# Altium PCB radxa_nx4_io_board_v1.11.PcbDoc (part 5 of 13) (continued)
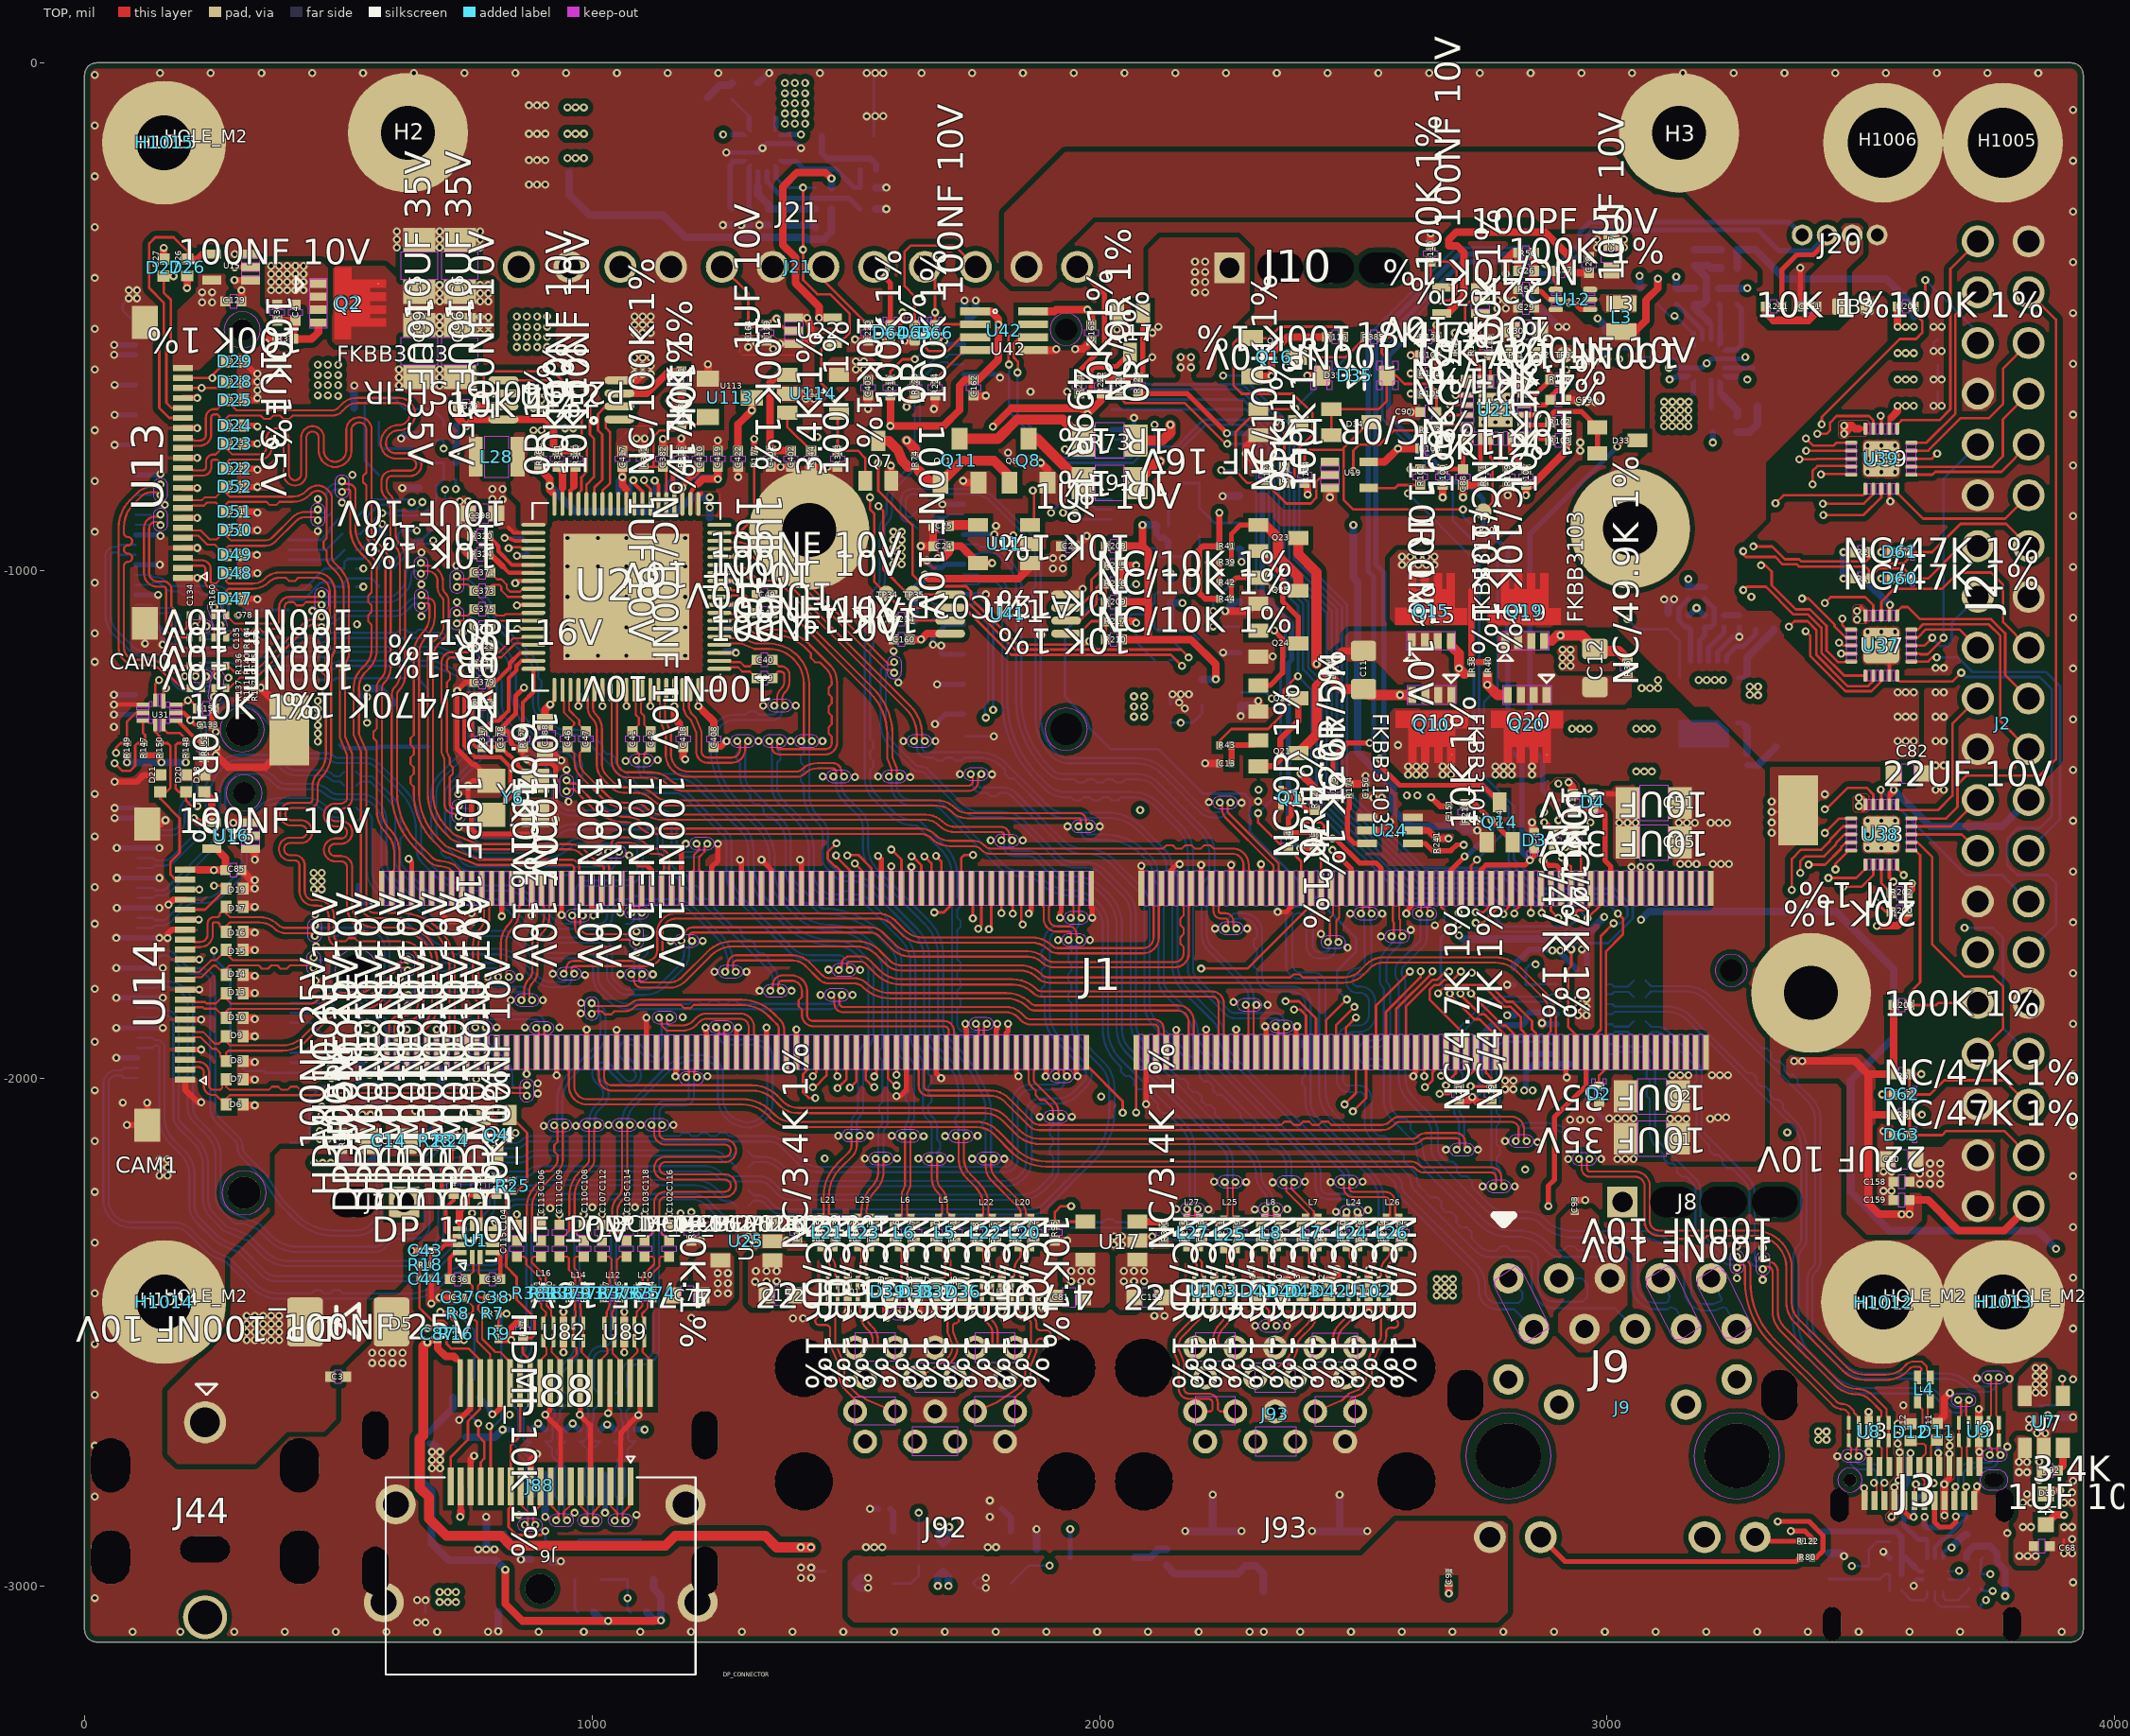
[diagram p0: TOP view]
## Nets (pads, with @x,y where several pads share a name; then routed paths per layer and width w, separated by ;. In a path a pad name is that pad's centre, name@x,y a point inside that pad or via, vN(x,y) a via of type N, cw(c..) or ccw(c..) an arc to the next point about the centre after c; other vN are vias at no path point) (continued)
  BOTTOM w11: Q9.2@777.59,-2628.63 797.59,-2648.63 797.59,-2653.59 804,-2660 v1(804,-2662)
  BOTTOM w12: R77.2@680,-2719.81 689,-2719.81 701,-2731.81 v1(701,-2736) ; v1(1026,-2856) U99.3@1026,-2811.26 U99.8@1026,-2780.74 ; C94.1@1324,-40.19 1327.8,-40.19 1347.76,-20.23 v1(1349.16,-20.23) ; v1(1548,-2848) R135.1@1564.19,-2848 ; v1(2803,-1816) R139.2@2816.19,-1816 ; v1(2871.53,-1891.53) 2873.68,-1893.68 U10.4@2900.94,-1893.68 ; v1(2950.19,-1746.3) 2959.99,-1756.1 U10.10@2959.99,-1795.26 ; R22.2@3160,-1088.19 3161.81,-1088.19 v1(3176,-1074) 3190.19,-1088.19 R20.2@3192,-1088.19 ; v1(3208,-748) C15.1@3208,-727.81 ; v1(3543.92,-2932.59) C92.2@3556.19,-2944.86 ; v1(3625,-2864) 3625,-2882.05 C67.2@3628,-2885.05 C71.2@3660,-2885.05
  BOTTOM w15: C73.2@531.75,-680 v1(531.75,-636) ; C126.2@551.56,-2048 595.23,-2048 Y1.2@616.69,-2069.46 ; v1(557.26,-1232) 581.85,-1232 Y2.2@610.54,-1260.69 ; v1(624,-740) 630.41,-733.59 Q27.2@659.37,-733.59 ; v1(626.43,-837.59) Q3.2@659.37,-837.59 ; v1(776,-2928) v1(792,-2928) ; v1(792,-2864) U109.2@792,-2892.82 v1(792,-2928) ; v1(808,-2928) v1(792,-2928) ; v1(815.56,-3089.56) C121.2@815.56,-3052 ; v1(860.19,-2947.81) R132.1@880,-2947.81 ; v1(908,-2864) U88.8@908,-2811.26 U88.3@908,-2780.74 ; R72.2@920,-2951.75 v1(939,-2951.75) ; v1(1258,-319.75) C132.2@1276,-319.75 ; v1(1294.25,-319.75) R143.1@1312,-319.75 ; v1(1330.25,-319.75) R153.2@1348,-319.75 ; R142.1@1559.75,-288 v1(1580,-288) ; R130.1@1559.75,-246 v1(1580,-246) ; v1(1681.44,-3000.32) 1681.44,-2982.12 C169.2@1692,-2971.56 1702.44,-2982 v1(1702.44,-3000.31) ; v1(1734.11,-468.11) 1734.11,-490.36 J15.76@1746.11,-502.36 ; J15.76@1736.93,-511.54 J15.76@1746.11,-502.36 ; v1(1756.11,-468.11) 1756.11,-492.36 J15.76@1746.11,-502.36 ; R133.2@1876,-2928.25 v1(1876,-2888) ; v1(2168.66,-2892.25) J4.3@2223,-2892.25 ; v1(2223,-2820.19) J4.3@2223,-2892.25 ; v1(2242.65,-853.59) Q29.2@2275.37,-853.59 ; v1(2247.62,-1080.22) 2266.25,-1061.59 Q12.2@2275.37,-1061.59 ; Q28.2@2275.37,-957.59 2280,-962.22 v1(2280,-983) ; v1(2278.19,-1287.06) U5.3@2278.19,-1265.59 2304.04,-1265.59 v1(2312.63,-1257) ; v1(2279.75,-2892.25) J4.3@2223,-2892.25 ; v1(2418.66,-2892.25) J4.4@2473,-2892.25 ; v1(2473,-2820.19) J4.4@2473,-2892.25 ; v1(2527.34,-2892.25) J4.4@2473,-2892.25 ; v1(2803,-1876) C84.2@2816.19,-1876 ; R50.1@3064,-444.25 v1(3064,-420) ; v1(3136,-421.41) R51.1@3136,-444.25 R53.2@3172,-444.25 ; R52.1@3220,-444.25 C22.2@3256,-444.25 v1(3276,-444.25) ; Q26.2@3436.63,-2935.27 3460.5,-2935.27 v1(3466.5,-2941.27) ; R89.2@3896,-2667.75 v1(3917.74,-2667.75)
  other v1: 95.32,-3090.46 189.51,-3090.46 295.32,-3090.46 395.32,-3090.46 495.32,-3090.46 595.32,-3090.46 695.32,-3090.46 795.32,-3090.46 895.32,-3090.46 984,-3090.46 1095.32,-3090.46 1195.32,-3090.46 1295.32,-3090.46 1395.32,-3090.46 1495.32,-3090.46 1595.32,-3090.46 1695.32,-3090.46 1795.32,-3090.46 1895.32,-3090.46 1995.32,-3090.46 2095.32,-3090.46 2195.32,-3090.46 2295.32,-3090.46 2323.39,-3090.46 2395.32,-3090.46 2495.32,-3090.46 2595.32,-3090.46 2695.32,-3090.46 2795.32,-3090.46 2895.32,-3090.46 2995.32,-3090.46 3095.32,-3090.46 3195.32,-3090.46 3295.32,-3090.46 3395.32,-3090.46 3495.32,-3090.46 3595.32,-3090.46 3695.32,-3090.46 3795.32,-3090.46 3895.32,-3090.46 656,-3072 672,-3072 656,-3028 20.73,-3023.85 3917.74,-2993.01 1412,-2984 1432,-2984 1412,-2964 3900,-2936 20.73,-2923.85 1540,-2924 1556,-2924 1572,-2924 1780,-2924 1796,-2924 3916,-2908 3788,-2896 3900,-2884 3916,-2884 1784,-2864 856,-2860 1088,-2860 966,-2856 3900,-2836 3916,-2836 1784,-2832 20.73,-2823.85 3916,-2816 3917.74,-2793.01 3851,-2791 685,-2768 701,-2768 3851,-2755 685,-2752 701,-2752 3453.41,-2744.5 685,-2736 3788.31,-2725.73 20.73,-2723.85 3847,-2699 3863,-2699 3831,-2688 3831,-2672 838,-2663 3583.12,-2644.19 20.73,-2623.85 3917.74,-2593.01 3792.45,-2592.42 3728.28,-2591.34 567,-2561 587,-2561 607,-2561 627,-2561 567,-2541 587,-2541 607,-2541 627,-2541 20.73,-2523.85 3917.74,-2493.01 2306.5,-2488 2369.5,-2488 1396,-2473 1416,-2473 1196,-2472 2108,-2468 2128,-2468 1872,-2452 1888,-2452 1872,-2436 1888,-2436 20.73,-2423.85 3306.42,-2397.06 3255.57,-2393.96 3917.74,-2393.01 3306.42,-2334.06 3255.57,-2330.96 1308,-2328 1324,-2328 2028,-2328 2044,-2328 20.73,-2323.85 1308,-2312 1324,-2312 2028,-2312 2044,-2312 3917.74,-2293.01 1174.77,-2266.53 2465.68,-2263.15 2528.89,-2260 2151.32,-2257.89 2214.32,-2258.43 2305.68,-2258.45 2369.59,-2258 918,-2256 1000.77,-2254.53 1084.77,-2254.53 20.73,-2223.85 3544,-2222 3560,-2222 2754.66,-2212.95 2817.66,-2212.95 2288.68,-2204.51 2341.35,-2205.21 2455.33,-2204.66 2225.68,-2204.03 2404.32,-2204.03 2518.32,-2204 3917.74,-2193.01 148,-2192 164,-2192 3544,-2184 3560,-2184 148,-2176 164,-2176 148,-2160 164,-2160 1749.1,-2158.75 1812.42,-2158.75 2923.32,-2159 2988,-2159 3020,-2159 3036,-2159 3052,-2159 1537.91,-2158.1 1600.89,-2157.96 1643.33,-2158 1706.31,-2158 2682.55,-2140.84 2745.55,-2140.84 2862.61,-2125.94 20.73,-2123.85 2798.95,-2123.95 1590.61,-2113.77 1653.61,-2114.12 1696.03,-2114 1759.71,-2113.75 1485.19,-2113.32 1548.19,-2113.14 3544,-2104 905.02,-2094.08 968.39,-2093.87 3917.74,-2093.01 1032.68,-2092 1096,-2092 1160.68,-2092.39 2927,-2082 2947,-2082 2967,-2082 652,-2080 3020,-2079 3036,-2079 3052,-2079 1882.26,-2075.97 1945.26,-2075.97 564,-2072 580,-2071 652,-2064 76,-2048 893,-2030.18 20.73,-2023.85 2799.01,-2021.88 2815.01,-2021.88 893,-2010.18 2799,-2004.88 2815,-2004.88 1227.69,-1996.37 3917.74,-1993.01 20.73,-1928 812.21,-1900 868,-1900 936,-1900 3917.74,-1893.01 1178.82,-1880.05 2943,-1876 2959,-1876 978.36,-1872.71 2943,-1860 2959,-1860 637.3,-1857.58 2331.01,-1855.55 978.79,-1851.71 2264.01,-1850.18 840.16,-1846.38 903.16,-1846.38 2943,-1844 2959,-1844 1450.46,-1836 1513.46,-1836 1330.37,-1828.04 1393.37,-1828.04 20.73,-1823.85 456,-1808 621.47,-1802.5 794.39,-1800.51 857.39,-1800.51 986.16,-1796.62 1056,-1795.52 1120,-1795.52 923.26,-1794.52 3917.74,-1793.01 1241.4,-1790.17 1304.4,-1790.27 1528.68,-1786.74 1465.69,-1786.31 1088,-1753 2488.62,-1743.22 456.32,-1740.58 1155.23,-1729.62 1218.23,-1729.62 1918.19,-1727.81 1981.19,-1727.81 2554.32,-1720.93 2436.31,-1715.95 2612.87,-1708 2227.61,-1705.21 2290.61,-1705.21 2660.83,-1698.83 20.73,-1696 3917.74,-1693.01 940.36,-1678.95 454.73,-1677.68 2493.82,-1676 2556.82,-1676 20.73,-1623.85 3917.74,-1593.01 3048,-1584 3066,-1584 3085,-1584 1011.56,-1554.11 3513,-1547 3540,-1547 3567,-1547 1785.68,-1531.55 1848.68,-1531.55 20.73,-1523.85 3513,-1520 3540,-1520 3567,-1520 3324,-1516.47 737.5,-1505.32 1936.93,-1504.13 2000.61,-1504.1 3040,-1497 3056,-1497 2967,-1496 3324,-1496.47 3513,-1493 3540,-1493 3567,-1493 3917.74,-1493.01 2279.49,-1457.5 2215.49,-1456.5 954.17,-1455.27 2312.49,-1454.71 3324,-1455.47 737,-1440.6 3428.74,-1440.74 20.73,-1440 3647,-1432 3663,-1432 1518,-1407 1627.01,-1407.15 1454.68,-1405.97 1564.03,-1405.66 1788.07,-1401.62 1725.08,-1400.96 3917.74,-1393.01 950,-1392.48 3647,-1384 3663,-1384 1066.52,-1375.07 1129.49,-1373.26 1328.32,-1336 1391.32,-1336 1454.32,-1336 1613.68,-1336 1676.68,-1336 3647,-1336 3663,-1336 2931,-1312 2947,-1312 2963,-1312 58.44,-1308 557.26,-1300 3917.74,-1293.01 3647,-1288 3663,-1288 2168,-1272 1337.61,-1265.99 1401.61,-1265.99 2157,-1260 557.26,-1249 3297,-1246 3281,-1245 2160,-1244 2176,-1244 3647,-1240 3663,-1240 332,-1231 3281,-1229 3297,-1229 1603.84,-1220.77 3180,-1216 3196,-1216 3212,-1216 3228,-1216 284,-1211 198,-1208.25 3917.74,-1193.01 3647,-1192 3663,-1192 2912,-1188 2928,-1188 2912,-1172 2928,-1172 952,-1168 1012,-1168 1068,-1168 1124,-1168 1184,-1168 1594.25,-1158.84 2912,-1156 2928,-1156 3525,-1136 3554,-1136 745.18,-1122.26 3513,-1121 3540,-1121 3567,-1121 952,-1112 1012,-1112 1068,-1112 1124,-1112 1184,-1112 537.23,-1106.02 1576,-1096 3917.74,-1093.01 664.13,-1090.58 449.6,-1079.52 733.97,-1062.5 952,-1052 1012,-1052 1068,-1052 1124,-1052 1184,-1052 3284.01,-1052.21 664,-1027.37 3917.74,-993.01 952,-992 1012,-992 1068,-992 1124,-992 1184,-992 732.82,-990.53 664,-964.37 952,-936 1012,-936 1068,-936 1124,-936 1184,-936 1830,-931 460,-922.32 740,-912 1796,-912 3917.74,-893.01 508,-866.32 740,-864 756,-864 460,-859.32 528,-812 3513,-806 3540,-806 3567,-806 3917.74,-793.01 3513,-780 3540,-780 3567,-780 1820,-768 2947,-764 3513,-754 3540,-754 3567,-754 2947,-748 1088,-740 20.73,-723.85 884.9,-723.9 900.9,-723.9 2756,-708 2780,-708 2804,-708 3917.74,-693.01 2756,-684 2780,-684 2804,-684 3659,-676 2960,-668 2756,-660 2780,-660 2804,-660 1864,-648 1936,-648 341,-645 620,-636 700,-636 3659,-624 620,-620 700,-620 1084,-613 1116,-613 20.73,-604 620,-604 700,-604 2160,-600 2180,-600 1084,-597 1100,-597 1116,-597 3917.74,-593.01 2944,-588 2960,-588 2976,-588 1084,-581 1100,-581 1116,-581 2160,-580 2180,-580 3659,-568 1357,-564 1308,-560 1324,-552 1084,-532 1100,-532 1116,-532 20.73,-523.85 3643,-520 3659,-520 1084,-516 1100,-516 1116,-516 1084,-500 1100,-500 1116,-500 3917.74,-493.01 2784,-484 2800,-484 2784,-468 2800,-468 2816.25,-468 104,-464 88,-448 104,-448 20.73,-423.85 3917.74,-393.01 616,-364 700,-364 780,-364 2980,-364 3033,-364 616,-348 700,-348 780,-348 2980,-348 3033,-348 616,-332 700,-332 780,-332 20.73,-323.85 3917.74,-293.01 876,-240 892,-240 908,-240 20.73,-223.85 3917.74,-193.01 876,-192 892,-192 908,-192 876,-140 892,-140 908,-140 20.73,-123.85 1541.16,-105.46 1558,-105.23 1574,-105.23 3917.74,-93.01 876,-84 892,-84 908,-84 20.73,-23.85 149.16,-20.23 249.16,-20.23 349.16,-20.23 449.16,-20.23 549.16,-20.23 649.16,-20.23 749.16,-20.23 849.16,-20.23 949.16,-20.23 1049.16,-20.23 1149.16,-20.23 1249.16,-20.23 1449.16,-20.23 1541.16,-20.46 1574,-20.23 1649.16,-20.23 1749.16,-20.23 1849.16,-20.23 1949.16,-20.23 2049.16,-20.23 2149.16,-20.23 2249.16,-20.23 2349.16,-20.23 2449.16,-20.23 2549.16,-20.23 2649.16,-20.23 2749.16,-20.23 2849.16,-20.23 2949.16,-20.23 3049.16,-20.23 3149.16,-20.23 3249.16,-20.23 3349.16,-20.23 3449.16,-20.23 3549.16,-20.23 3649.16,-20.23 3749.16,-20.23 3849.16,-20.23
GPIO01: J1.118 U39.7 | length 2782.6
  TOP w5: J1.118@1727.75,-1626.09 1727.75,-1565.97 1733.25,-1560.47 v1(1750.92,-1560.47) ; v1(3424.75,-868.5) 3505.52,-868.5 3524.25,-849.77 U39.7@3524.25,-839.24
  ART04 w5: v1(1750.92,-1560.47) 1751.08,-1560.63 1906.97,-1560.63 1938.84,-1592.5 2024.99,-1592.5 2072.2,-1639.71 2353.02,-1639.71 2409.81,-1696.5 2409.81,-1729.67 2471.64,-1791.5 2508.02,-1791.5 2576.4,-1859.88 2728.77,-1859.88 2754.32,-1834.33 2754.32,-1774.85 2805.84,-1723.33 2834.81,-1723.33 2846.37,-1711.77 3019.84,-1711.77 3027.11,-1704.5 3073.36,-1704.5 3114.32,-1663.54 3114.32,-1490.33 3144.5,-1460.15 3144.5,-1296.15 3184.65,-1256 3240.3,-1256 3264.5,-1231.8 3264.5,-1190.57 3305.71,-1149.36 3305.71,-1138.76 3364.5,-1079.97 3364.5,-1051.23 3408,-1007.73 3408,-885.25 v1(3424.75,-868.5)
GPIO01_LS: J2.29 U39.10 | length 306.7
  TOP w5: U39.10@3571.5,-839.24 3571.5,-847.5 3622,-898 3784,-898 J2.29@3830,-852
GPIO07: J1.206 U37.5 | length 1460.1
  TOP w5: J1.206@2672.63,-1626.09 2672.63,-1662.65 v1(2707.33,-1697.35) ; v1(3303.34,-990) 3312,-990 3324,-1002 3324,-1029.09 3371.45,-1076.54 3399.54,-1076.54 3432,-1109 3432,-1158.1 3454.15,-1180.25 3467.75,-1180.25 3468.5,-1179.5 U37.5@3480.76,-1179.5
  ART04 w5: v1(2707.33,-1697.35) 2707.7,-1697.35 2724.5,-1680.55 2724.5,-1639.5 2756,-1608 2892.02,-1608 2940.5,-1559.52 2940.5,-1485 3000.5,-1425 3000.5,-1247.38 3068.38,-1179.5 3093.85,-1179.5 3202.67,-1070.68 3202.67,-1049.33 3241.99,-1010.01 3271.89,-1010.01 3291.9,-990 v1(3303.34,-990)
GPIO07_LS: J2.32 U37.12 | length 486.9
  TOP w5: U37.12@3599.24,-1163.75 3615,-1163.75 3616.5,-1165.25 3631.47,-1165.25 3662.41,-1134.31 v1(3662.41,-1132.5)
  BOTTOM w5: v1(3662.41,-1132.5) 3662.41,-819.59 J2.32@3730,-752
GPIO09: J1.211 U39.4 | length 1763.5
  TOP w5: v1(2712,-1789.93) 2712,-1790.36 2695.93,-1806.43 2679.13,-1806.43 2669.13,-1816.43 2659.94,-1816.43 2650.18,-1826.19 2650.18,-1844.78 2721.84,-1916.44 J1.211@2721.84,-1948.92 ; v1(3404.5,-830.55) 3404.5,-803.92 3414.15,-794.27 3479.28,-794.27 U39.4@3480.76,-795.75
  ART04 w5: v1(2712,-1789.93) 2726.43,-1775.5 2739.52,-1775.5 2801.69,-1713.33 2830.66,-1713.33 2842.22,-1701.77 2967.93,-1701.77 2977.76,-1691.94 2977.76,-1642.24 3008,-1612 3092.32,-1612 3104.32,-1600 3104.32,-1486.18 3134.5,-1456 3134.5,-1292 3180.5,-1246 3236.15,-1246 3254.5,-1227.65 3254.5,-1186.42 3295.71,-1145.21 3295.71,-1134.61 3354.5,-1075.82 3354.5,-1047.08 3398,-1003.58 3398,-837.05 v1(3404.5,-830.55)
GPIO09_LS: J2.7 U39.13 | length 1386.5
  TOP w5: U39.13@3599.24,-780 3639.99,-780 v1(3649.99,-770)
  ART04 w5: v1(3649.99,-770) 3623.98,-796.01 3623.98,-1139.34 3633.64,-1149 3669,-1149 3680.98,-1160.98 3680.98,-1216.98 3690,-1226 3690,-1690.01 v1(3703.99,-1704)
  BOTTOM w5: v1(3703.99,-1704) 3760,-1704 3780,-1724 3780,-1902 J2.7@3830,-1952
GPIO11: J1.216 U39.6 | length 1427.1
  TOP w5: v1(2741.05,-1672.96) 2756.78,-1672.96 2771.06,-1658.68 J1.216@2771.06,-1626.09 ; v1(3331.5,-867.54) 3347.04,-852 3504,-852 3508.5,-847.5 U39.6@3508.5,-839.24
  ART04 w5: v1(2741.05,-1672.96) 2741.35,-1672.66 2741.35,-1652.5 2775.85,-1618 2896.17,-1618 2950.5,-1563.67 2950.5,-1489.15 3010.5,-1429.15 3010.5,-1251.53 3072.53,-1189.5 3098,-1189.5 3219.75,-1067.75 3219.75,-1046.4 3244.14,-1022.01 3294.67,-1022.01 3331.5,-985.18 v1(3331.5,-867.54)
GPIO11_LS_40: J2.31 U39.11 | length 255.4
  TOP w5: U39.11@3599.24,-811.5 3640.5,-811.5 3646.25,-805.75 3776.25,-805.75 J2.31@3830,-752
GPIO12: J1.218 U37.6 | length 1405.8
  TOP w5: v1(2741.05,-1694.03) 2755.29,-1694.03 2790.74,-1658.58 J1.218@2790.74,-1626.09 ; v1(3268.09,-1038.51) 3274.6,-1032 3312.76,-1032 3367.3,-1086.54 3395.39,-1086.54 3422,-1113.15 3422,-1162.25 3466.99,-1207.24 U37.6@3508.5,-1207.24
  ART04 w5: v1(2741.05,-1694.03) 2743.33,-1694.03 2757.55,-1679.81 2757.55,-1650.45 2780,-1628 2900.32,-1628 2987.5,-1540.82 2987.5,-1473.42 3020.5,-1440.42 3020.5,-1255.68 3076.68,-1199.5 3108.89,-1199.5 3263.4,-1044.99 3263.4,-1043.2 v1(3268.09,-1038.51)
GPIO12_LS: J2.15 U37.11 | length 669.5
  TOP w5: U37.11@3599.24,-1179.5 3632.5,-1179.5 3640.91,-1171.09 v1(3648.97,-1171.09)
  BOTTOM w5: v1(3648.97,-1171.09) 3690.43,-1171.09 3719.34,-1200 3864,-1200 3892,-1228 3892,-1490 J2.15@3830,-1552
GPIO13: J1.228 U39.5 | length 1285.6
  TOP w5: J1.228@2889.17,-1626.09 2889.17,-1670.17 v1(2903.5,-1684.5) ; v1(3421,-810.77) 3421.75,-810.02 3479.28,-810.02 U39.5@3480.76,-811.5
  ART04 w5: v1(2903.5,-1684.5) 2914.57,-1684.5 3033.53,-1565.54 3070.46,-1565.54 3094.32,-1541.68 3094.32,-1482.03 3124.5,-1451.85 3124.5,-1287.85 3176.35,-1236 3232,-1236 3244.5,-1223.5 3244.5,-1182.27 3285.71,-1141.06 3285.71,-1130.46 3344.5,-1071.67 3344.5,-1042.93 3388,-999.43 3388,-823.71 3400.94,-810.77 v1(3421,-810.77)
GPIO13_LS: J2.33 U39.12 | length 332.8
  TOP w5: U39.12@3599.24,-795.75 3758.82,-795.75 3779.42,-775.15 3779.42,-702.58 J2.33@3830,-652
HDMI_CEC: D99.1 J1.94 Q6.2 R127.1 | length 2182.1
  TOP w5: v1(1481.72,-1537.49) 1464.65,-1554.56 1464.65,-1568.24 1479.55,-1583.14 1481.04,-1583.14 1491.53,-1593.61 J1.94@1491.53,-1626.09
  ART03 w5: v1(1070.41,-3024) 1070.41,-2985.2 1121.8,-2933.81 1121.8,-2810.2 1156,-2776 1279.61,-2776 1304,-2751.61 1304,-2352 1291.5,-2339.5 1291.5,-2155.5 1144,-2008 1144,-1932 1176,-1900 1192,-1900 1264,-1828 1296,-1828 1534.41,-1589.59 1534.41,-1554.41 1517.49,-1537.49 v1(1481.72,-1537.49)
  BOTTOM w5: D99.1@1017.59,-2987.37 Q6.2@1070.41,-2987.37 v1(1070.41,-3024) 1070.41,-3046.16 R127.1@1076.25,-3052
HDMI_CEC_CON: D99.3 J6.13 J88.14 Q6.3 R72.1 | length 588.7
  TOP w3: J88.14@858.63,-2616 J88.14@858.63,-2600.64
  TOP w5: J88.14@858.63,-2616 858.63,-2705.37 840.07,-2723.93 J6.13@840.07,-2804.28 840.07,-2843.93 836,-2848 836,-2884 852,-2900 900,-2900 v1(908,-2892)
  BOTTOM w5: v1(908,-2892) 908,-2908.25 R72.1@920,-2920.25 964.38,-2920.25 976,-2908.63 D99.3@992,-2908.63 Q6.3@1096,-2908.63
HDMI_CEC_PU: D99.2 R128.2 | length 67
  BOTTOM w5: D99.2@966.41,-2987.37 966.41,-3046.16 R128.2@972.25,-3052
HDMI_DDC_SCL_5V0: J6.15 R7.2 R9.2 | length 405.1
  TOP w5: v1(798,-2685.2) 800.7,-2687.9 J6.15@800.7,-2804.28 ; R9.2@816,-2492.19 815.81,-2492 R7.2@815.81,-2464 v1(832,-2464)
  BOTTOM w5: v1(798,-2685.2) 806.8,-2685.2 821.5,-2670.5 821.5,-2474.5 v1(832,-2464)
HDMI_DDC_SCL_POL: J1.100 U1.7 | length 1279.2
  TOP w5: U1.7@779.87,-2287.52 779.87,-2280.67 782.45,-2278.09 782.45,-2251.25 v1(781.45,-2251.25) ; v1(1503.4,-1561.31) 1504.24,-1560.47 1524.75,-1560.47 1550.58,-1586.3 J1.100@1550.58,-1626.09
  ART03 w5: v1(781.45,-2251.25) 789.63,-2251.25 865.84,-2175.04 865.84,-2095.76 904.17,-2057.43 920.16,-2052.1 1022.59,-2052.1 1081.17,-1993.52 1081.17,-1865.53 1109.15,-1837.55 1152.3,-1837.55 1233.73,-1756.12 1237.23,-1756.12 1251.35,-1742 1348.38,-1742 1501.41,-1588.97 1501.41,-1563.3 v1(1503.4,-1561.31)
HDMI_DDC_SDA_5V0: J6.16 R8.2 R16.2 | length 467.8
  TOP w5: v1(701.28,-2460.43) 720.62,-2460.43 R8.2@724.19,-2464 724.19,-2475.18 732,-2482.99 R16.2@732,-2492.19 ; v1(776.27,-2680) 776.27,-2704.27 788,-2716 788,-2749.39 781.02,-2756.37 J6.16@781.02,-2804.28
  BOTTOM w5: v1(701.28,-2460.43) 732.43,-2460.43 768.69,-2496.69 768.69,-2591.31 755.31,-2604.69 755.31,-2659.04 v1(776.27,-2680)
HDMI_DDC_SDA_POL: J1.98 U1.8 | length 1245.8
  TOP w5: U1.8@764.13,-2287.52 v1(764.13,-2265.74) ; v1(1517.91,-1576.97) 1530.9,-1589.96 J1.98@1530.9,-1626.09
  ART03 w5: v1(764.13,-2265.74) 766.39,-2268 792,-2268 875.84,-2184.16 875.84,-2099.91 907.29,-2068.46 922.67,-2062.1 1026.74,-2062.1 1091.17,-1997.67 1091.17,-1869.69 1113.31,-1847.55 1156.45,-1847.55 1237.88,-1766.12 1241.38,-1766.12 1255.5,-1752 1352.53,-1752 1368.26,-1736.27 1517.91,-1586.63 v1(1517.91,-1576.97)
HDMI_HPD: J1.96 Q4.3 R25.1 R26.2 | length 1169.3
  TOP w5: R25.1@844,-2200.19 840.06,-2196.25 R26.2@812,-2196.25 Q4.3@812,-2151.37 812,-2145.07 v1(849.34,-2107.73) ; v1(1481.15,-1561.4) 1481.15,-1563.55 1511.21,-1593.61 J1.96@1511.21,-1626.09
  ART03 w5: v1(849.34,-2107.73) 849.34,-2098.11 898.82,-2048.63 914.59,-2042.1 1018.44,-2042.1 1071.17,-1989.37 1071.17,-1861.37 1104.99,-1827.55 1148.15,-1827.55 1229.58,-1746.12 1233.08,-1746.12 1247.2,-1732 1340.01,-1732 1481.15,-1590.85 v1(1481.15,-1561.4)
HDMI_ILIM: R132.2 U109.3 | length 66.3
  BOTTOM w5: U109.3@829.4,-2892.82 829.4,-2897.4 856.19,-2924.19 R132.2@880,-2924.19
HDMI_TXC_CON_N: J6.12 L11.4 R31.1 R366.2 U88.1 U88.10 | length 357.1
  TOP w4.06: J6.12@859.76,-2804.28 859.76,-2839.76 874,-2854 874,-2873.66 v1(867.82,-2879.84)
  BOTTOM w4.06: R366.2@844,-2643.81 854.82,-2654.63 854.82,-2712 851.01,-2715.81 R31.1@840,-2715.81 854.82,-2730.63 854.82,-2741.36 873.3,-2759.84 873.3,-2765.59 868.63,-2770.26 U88.1@868.63,-2778.78 U88.10@868.63,-2813.22 868.63,-2821.74 873.3,-2826.41 873.3,-2874.36 v1(867.82,-2879.84)
HDMI_TXC_CON_P: J6.10 L11.3 R30.1 R367.2 U88.2 U88.9 | length 356.4
  TOP w4.06: v1(888.82,-2879.84) 884.36,-2875.38 884.36,-2855.92 899.13,-2841.15 J6.10@899.13,-2804.28
  BOTTOM w4.06: R367.2@876,-2643.81 865.18,-2654.63 865.18,-2712 868.99,-2715.81 R30.1@880,-2715.81 865.18,-2730.63 865.18,-2737.06 883.66,-2755.54 883.66,-2765.59 888.32,-2770.25 U88.2@888.32,-2778.78 U88.9@888.32,-2813.22 888.32,-2821.75 883.66,-2826.41 883.66,-2874.68 v1(888.82,-2879.84)
HDMI_TXC_N: C104.1 C115.2 J1.81 | length 1003.6
  TOP w4.06: C104.1@852,-2319.75 867.58,-2319.75 871.64,-2315.69 871.64,-2306.56 871.77,-2306.43 871.77,-2258.65 cw(c932.35,-2254.83) 889.42,-2211.92 899.87,-2201.47 899.87,-2192.56 908.93,-2183.5 917.84,-2183.5 926.89,-2174.45 ccw(c914.02,-2161.57) 932.23,-2161.57 932.23,-2150.97 925.93,-2144.67 925.93,-2131.87 932.23,-2125.57 932.23,-2099.23 v1(926,-2093) ; v1(999.78,-1873.36) 1005.1,-1868.04 1019.3,-1868.04 1025.6,-1874.34 1038.4,-1874.34 1044.7,-1868.04 1065.39,-1868.04 ccw(c1065.38,-1842.48) 1083.47,-1860.54 ; 1083.48,-1860.53 cw(c1095.11,-1872.15) 1095.1,-1855.71 1175.3,-1855.71 1181.6,-1862.01 1194.4,-1862.01 1200.7,-1855.71 1294.52,-1855.71 cw(c1294.51,-1932.86) 1349.07,-1878.31 1363.62,-1892.86 cw(c1352.48,-1904.01) 1368.24,-1904 1368.24,-1912.44 1363.58,-1917.1 J1.81@1363.58,-1948.92
  BOTTOM w4.06: v1(926,-2093) 931.32,-2087.68 931.32,-2047.17 cw(c1014.06,-2047.17) 955.55,-1988.67 1003.6,-1940.62 ccw(c972.25,-1909.28) 1016.58,-1909.27 ; v1(999.78,-1873.36) 1005.1,-1868.04 1011.14,-1868.04 cw(c1011.14,-1873.49) 1016.59,-1873.49 1016.59,-1909.28
HDMI_TXC_P: C106.1 C113.2 J1.83 | length 1004.8
  TOP w4.06: C106.1@900,-2319.75 899.75,-2319.75 882.13,-2302.13 882.13,-2254.97 882.01,-2254.85 cw(c932.34,-2254.84) 896.75,-2219.25 934.22,-2181.78 ccw(c914.02,-2161.58) 942.59,-2161.58 942.59,-2097.41 v1(947,-2093) ; v1(999.78,-1852.36) 1005.1,-1857.68 1065.38,-1857.68 ccw(c1065.37,-1842.49) 1076.13,-1853.21 cw(c1095.1,-1872.15) 1095.11,-1845.35 1294.52,-1845.35 cw(c1294.52,-1932.87) 1356.4,-1870.98 1370.95,-1885.53 cw(c1352.48,-1904) 1378.6,-1904 1378.6,-1912.44 1383.26,-1917.1 J1.83@1383.26,-1948.92
  BOTTOM w4.06: v1(947,-2093) 941.68,-2087.68 941.68,-2047.17 cw(c1014.05,-2047.18) 962.88,-1996 1010.93,-1947.95 ccw(c972.25,-1909.27) 1026.95,-1909.27 1026.95,-1873.49 ccw(c1011.14,-1873.49) 1011.14,-1857.68 1005.1,-1857.68 v1(999.78,-1852.36)
HDMI_TXD0_CON_N: J6.9 L13.4 R32.1 R369.2 U88.4 U88.7 | length 338.3
  TOP w4.06: J6.9@918.82,-2804.28 918.82,-2841.07 934.21,-2856.46 934.21,-2866.53 v1(929.8,-2870.94)
  BOTTOM w4.06: R369.2@916,-2643.81 926.82,-2654.63 926.82,-2666.52 922.64,-2670.7 922.64,-2712 918.83,-2715.81 R32.1@908,-2715.81 921.64,-2729.45 921.64,-2744.3 933,-2755.66 933,-2763 927.68,-2768.32 U88.4@927.68,-2778.78 U88.7@927.68,-2813.22 927.68,-2823.69 934.96,-2830.97 934.96,-2865.78 v1(929.8,-2870.94)
HDMI_TXD0_CON_P: J6.7 L13.3 R33.1 R368.2 U88.5 U88.6 | length 337.1
  TOP w4.06: v1(950.8,-2870.94) 944.57,-2864.71 944.57,-2854.43 958.19,-2840.81 J6.7@958.19,-2804.28
  BOTTOM w4.06: R368.2@948,-2643.81 937.18,-2654.63 937.18,-2670.82 933,-2675 933,-2712 936.81,-2715.81 R33.1@948,-2715.81 932,-2731.81 932,-2740 943.36,-2751.36 943.36,-2763.37 947.37,-2767.38 U88.5@947.37,-2778.78 U88.6@947.37,-2813.22 947.37,-2824.62 945.32,-2826.67 945.32,-2865.46 v1(950.8,-2870.94)
HDMI_TXD0_N: C109.1 C111.2 J1.75 | length 991.1
  TOP w4.06: C111.2@936,-2320.25 955.64,-2300.61 955.64,-2232.08 cw(c1022.54,-2232.07) 975.23,-2184.77 991.51,-2168.49 ccw(c984.51,-2161.49) 994.41,-2161.49 994.41,-2096.41 v1(990,-2092) ; v1(1132.2,-1880.66) 1137.52,-1885.98 1137.52,-1896.29 1147.67,-1906.44 1178.26,-1906.44 ccw(c1178.26,-1866.64) 1205.13,-1896 ccw(c1178.2,-1866.7) 1206.4,-1894.78 1212.85,-1888.33 cw(c1225.4,-1900.87) 1225.39,-1883.13 1292.31,-1883.13 cw(c1292.31,-1900) 1309.18,-1900 1309.18,-1912.45 1304.52,-1917.11 J1.75@1304.52,-1948.92
  BOTTOM w4.06: v1(990,-2092) 995.32,-2086.68 995.32,-2081.83 cw(c1033.54,-2081.83) 1006.52,-2054.8 1016.63,-2044.71 ccw(c1002.57,-2030.63) 1016.64,-2016.56 1007.38,-2007.3 cw(c1023.21,-1991.47) 1007.38,-1975.64 1007.67,-1975.35 cw(c1023.25,-1990.93) 1038.83,-1975.35 1065.81,-2002.36 ccw(c1074.33,-1993.85) 1082.85,-1985.33 1059.58,-1962.06 cw(c1075.55,-1946.09) 1059.58,-1930.11 cw(c1075.31,-1945.84) 1091.03,-1930.11 1115.6,-1954.67 ccw(c1122.46,-1947.82) 1128.88,-1955.08 ccw(c1122.49,-1947.78) 1129.39,-1954.6 ccw(c1108.79,-1934.89) 1137.3,-1934.89 1137.31,-1885.77 v1(1132.2,-1880.66)
HDMI_TXD0_P: C108.1 C110.2 J1.77 | length 990.6
  TOP w4.06: C110.2@984,-2320.25 983.75,-2320.25 966,-2302.5 966,-2232.08 cw(c1022.54,-2232.08) 982.56,-2192.1 998.84,-2175.82 ccw(c984.51,-2161.5) 1004.77,-2161.5 1004.77,-2098.23 v1(1011,-2092) ; v1(1153.2,-1880.66) 1147.88,-1885.98 1147.88,-1891.99 1151.97,-1896.08 1178.26,-1896.08 ccw(c1178.25,-1866.66) 1199.07,-1887.45 1205.52,-1881 cw(c1225.39,-1900.87) 1225.38,-1872.77 1292.31,-1872.77 cw(c1292.31,-1900) 1319.54,-1900 1319.54,-1912.45 1324.21,-1917.12 J1.77@1324.21,-1948.92
  BOTTOM w4.06: v1(1011,-2092) 1005.68,-2086.68 1005.68,-2081.84 cw(c1033.53,-2081.85) 1013.85,-2062.14 1023.96,-2052.04 ccw(c1002.57,-2030.63) 1023.97,-2009.23 1014.71,-1999.97 cw(c1023.21,-1991.47) 1014.71,-1982.97 1015,-1982.68 cw(c1023.25,-1990.93) 1031.5,-1982.68 1058.48,-2009.69 ccw(c1074.33,-1993.85) 1090.18,-1978 1066.91,-1954.73 cw(c1075.55,-1946.09) 1066.91,-1937.44 cw(c1075.31,-1945.84) 1083.7,-1937.44 1108.27,-1962.01 ccw(c1122.45,-1947.82) 1136.84,-1961.8 ccw(c1108.8,-1934.88) 1147.67,-1934.89 1147.67,-1886.19 v1(1153.2,-1880.66)
HDMI_TXD1_CON_N: J6.6 L15.4 R29.1 R370.2 U99.5 U99.6 | length 329.5
  TOP w4.06: J6.6@977.87,-2804.28 977.87,-2842.63 991.24,-2856 991.24,-2865.71 v1(985.92,-2871.03)
  BOTTOM w4.06: R370.2@984,-2643.81 992.82,-2652.63 992.82,-2667.17 990.82,-2669.17 990.82,-2708 983.01,-2715.81 R29.1@976,-2715.81 991.32,-2731.13 991.32,-2764.69 986.63,-2769.38 U99.6@986.63,-2778.78 U99.5@986.63,-2813.22 986.63,-2821.22 992.02,-2826.61 992.02,-2864.93 v1(985.92,-2871.03)
HDMI_TXD1_CON_P: J6.4 L15.3 R27.1 R371.2 U99.4 U99.7 | length 331.9
  TOP w4.06: v1(1006.92,-2871.03) 1001.6,-2865.71 1001.6,-2856 1017.24,-2840.36 J6.4@1017.24,-2804.28
  BOTTOM w4.06: v1(1006.92,-2871.03) 1002.38,-2866.49 1002.38,-2825.69 1006.32,-2821.75 U99.4@1006.32,-2813.22 U99.7@1006.32,-2778.78 1006.32,-2769.32 1001.68,-2764.68 1001.68,-2731.13 R27.1@1017,-2715.81 1007.81,-2715.81 1001.18,-2709.18 1001.18,-2673.47 1003.18,-2671.47 1003.18,-2652.63 1012,-2643.81 R371.2@1013,-2643.81
HDMI_TXD1_N: C107.2 C112.1 J1.69 | length 996.5
  TOP w4.06: C107.2@1020,-2320.25 1039.64,-2300.61 1039.64,-2263.14 cw(c1081.73,-2263.13) 1051.96,-2233.38 1052,-2233.34 ccw(c1034.36,-2215.68) 1059.32,-2215.69 1059.32,-2097.32 v1(1054,-2092) ; v1(1244.8,-1899.81) 1250.12,-1905.13 1250.12,-1912.43 1245.46,-1917.09 J1.69@1245.46,-1948.92
  BOTTOM w4.06: v1(1054,-2092) 1059.32,-2086.68 cw(c1112.43,-2086.68) 1074.88,-2049.12 1146.01,-1977.99 cw(c1202.72,-2034.71) 1202.72,-1954.5 1219.5,-1954.5 cw(c1219.5,-1993.36) 1258.36,-1993.36 1258.36,-2038.37 ccw(c1306.79,-2038.37) 1306.79,-2086.8 ccw(c1306.79,-2047.95) 1345.64,-2047.95 1345.64,-1959.36 ccw(c1320.64,-1959.36) 1320.64,-1934.36 1270.29,-1934.36 cw(c1270.29,-1913.28) 1249.21,-1913.28 1249.21,-1904.22 v1(1244.8,-1899.81)
HDMI_TXD1_P: C105.2 C114.1 J1.71 | length 996.7
  TOP w4.06: C105.2@1068,-2320.25 1067.75,-2320.25 1050,-2302.5 1050,-2263.14 cw(c1081.72,-2263.14) 1059.29,-2240.71 1059.33,-2240.67 ccw(c1034.36,-2215.69) 1069.68,-2215.69 1069.68,-2097.32 v1(1075,-2092) ; J1.71@1265.15,-1948.92 1265.15,-1917.1 1260.48,-1912.43 1260.48,-1905.13 v1(1265.8,-1899.81)
  BOTTOM w4.06: v1(1075,-2092) 1069.68,-2086.68 cw(c1112.43,-2086.69) 1082.21,-2056.45 1153.34,-1985.32 cw(c1202.73,-2034.71) 1202.73,-1964.86 1219.5,-1964.86 cw(c1219.5,-1993.36) 1248,-1993.36 1248,-2038.37 ccw(c1306.79,-2038.37) 1306.79,-2097.16 ccw(c1306.79,-2047.95) 1356,-2047.95 1356,-1959.36 ccw(c1320.64,-1959.36) 1320.64,-1924 1270.29,-1924 cw(c1270.29,-1913.28) 1259.57,-1913.28 1259.57,-1906.04 v1(1265.8,-1899.81)
HDMI_TXD2_CON_N: J6.3 L17.4 R75.1 R373.2 U99.2 U99.9 | length 338.2
  TOP w4.06: J6.3@1036.93,-2804.28 1036.93,-2842.62 1050.31,-2856 1050.31,-2866.23 v1(1045.02,-2871.52)
  BOTTOM w4.06: v1(1045.02,-2871.52) 1050.34,-2866.2 1050.34,-2826.41 1045.68,-2821.75 U99.2@1045.68,-2813.22 U99.9@1045.68,-2778.78 1045.68,-2769.33 1050.34,-2764.67 1050.34,-2751 1060.32,-2741.02 1060.32,-2731.13 R75.1@1045,-2715.81 1057.2,-2715.81 1060.73,-2712.28 1060.73,-2675.39 1057.64,-2672.3 1057.64,-2653.45 R373.2@1048,-2643.81